# Altium PCB 400484.PcbDoc (part 1 of 5) (continued)
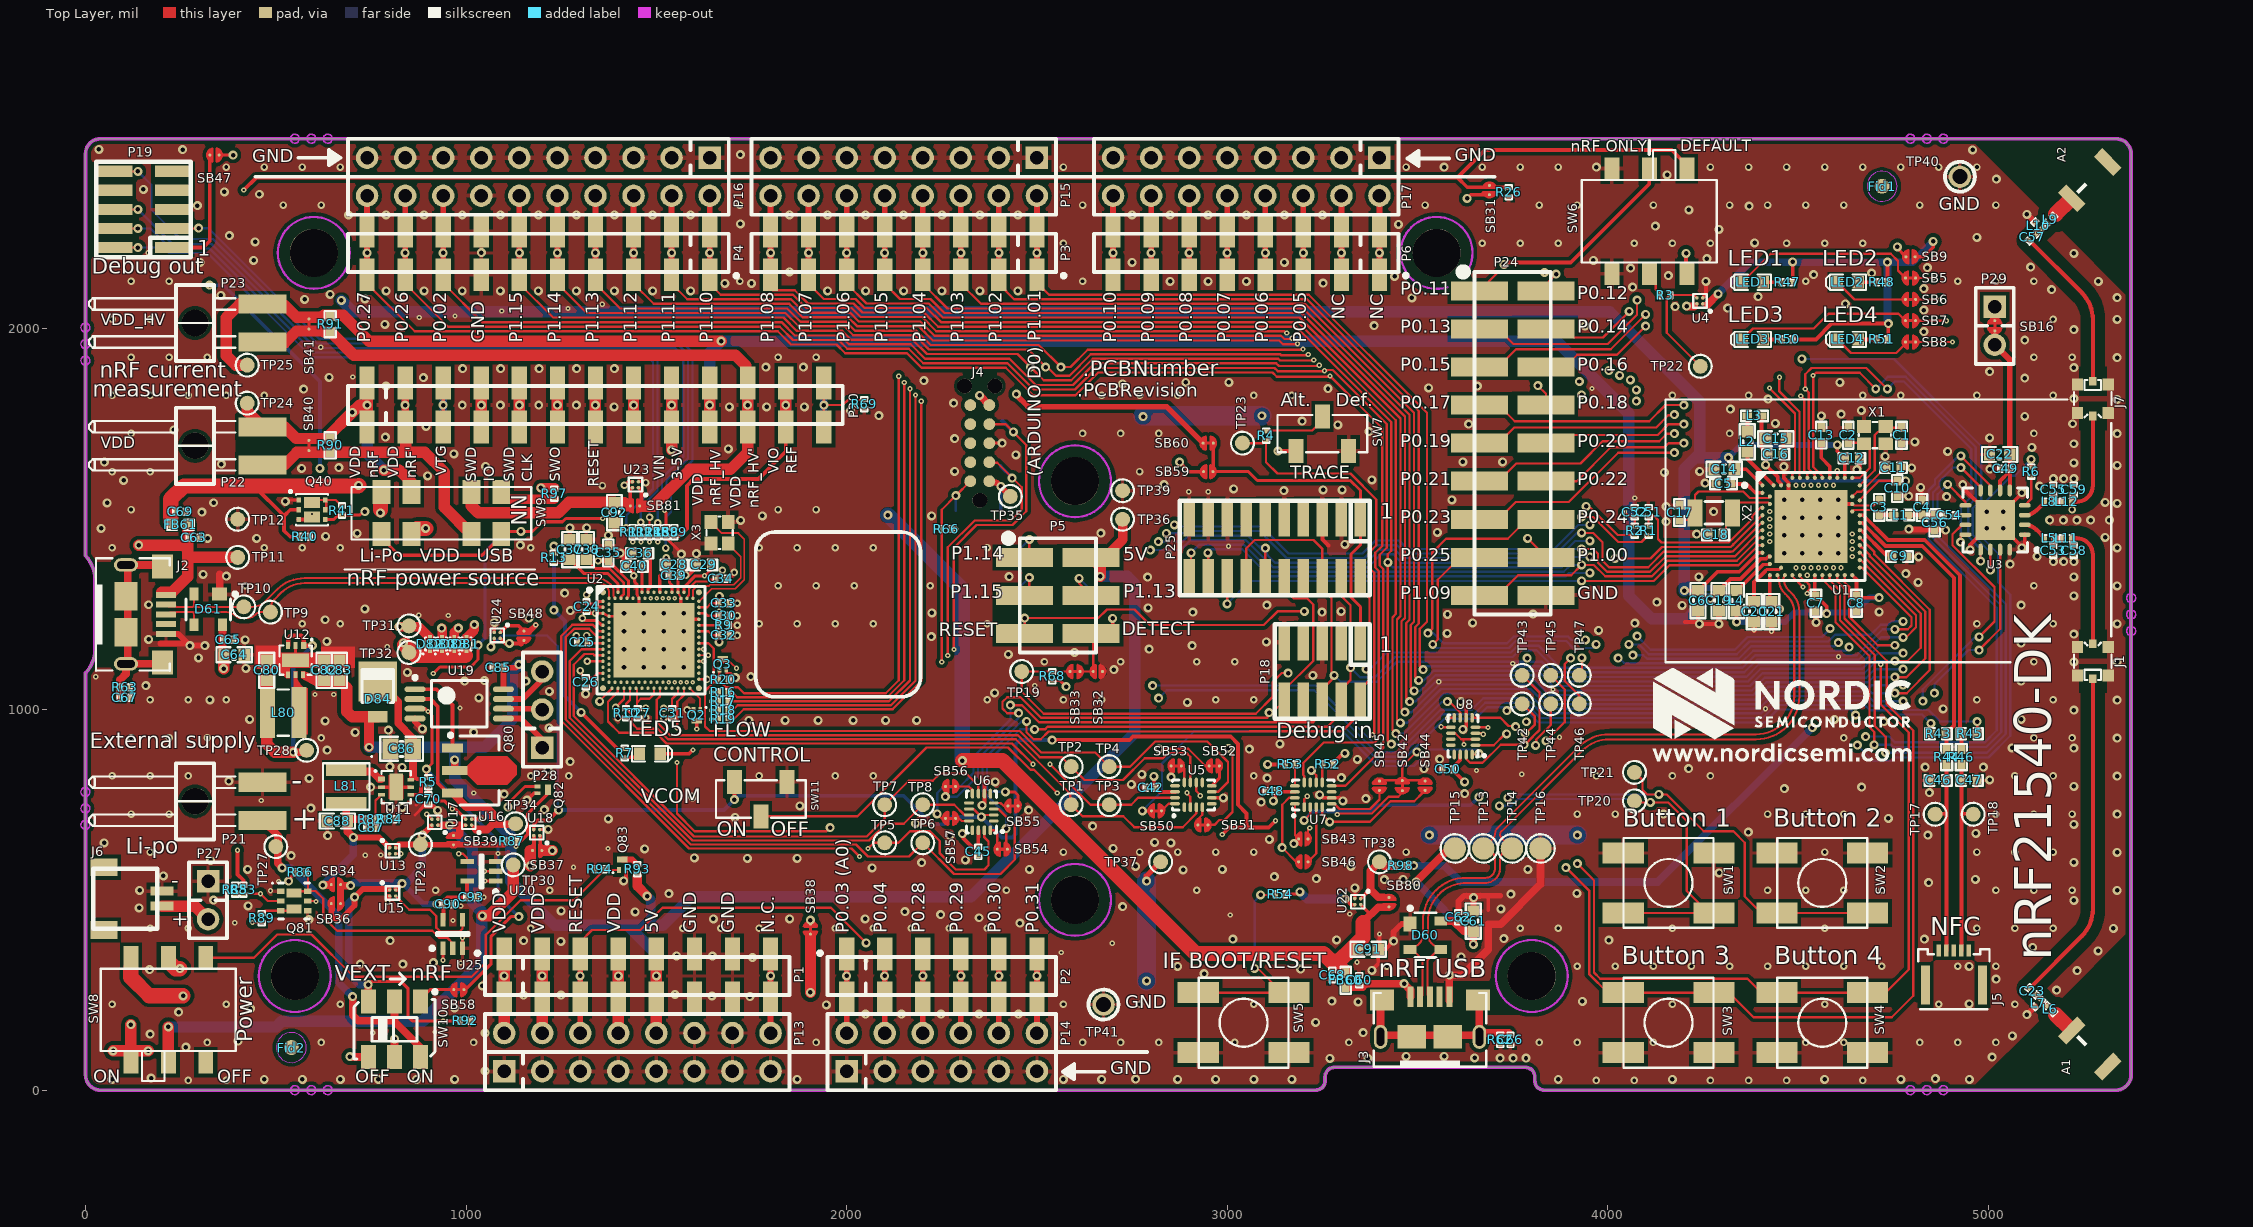
[diagram p0: Top Layer view]
## Components (designator, comment, footprint, x,y, rotation, side; value= is the part's Value field where it differs from the comment) (continued)
P23 "Pin List 1x2, Angled" LIST_ANG_1x2-SMD-2.54MM 464.99,2015.75 r270 top
P24 "Socket 2x9" SOCKET_2x9_SMD-2.54mm 3750,1700 r270 top locked
P25 "Pin Header 2x10, 1.27mm" HDR_2x10-SMD-1.27mm-NC 3125,1425 r180 top locked
P26 "Socket 1x13" LIST_1x13_SMD-NC 740,1800 r0 bottom locked
P27 "Pin List 1x2" LIST_1x2-NC 322,499 r270 top locked
P28 "Pin List 1x3" LIST_1x3-NC 1200,1000 r90 top locked
P29 "Pin List 1x2" LIST_1x2-NC 5016.73,2008.35 r270 top
Q2 "RV2C010UNT2L" DFN65P100X40-3L#1 1606.3,985.24 r270 top
Q3 "RV2C010UNT2L" DFN65P100X40-3L#1 1674.58,1118.52 r90 top
Q40 "PMCPB5530" PMCPB5530X 595,1525 r0 top
Q80 "FCX690BTA" SOT89-150P409X160-3N 1035,840 r0 top
Q81 "DMN1029UFDB" DFN65P200X60_HS-6N 548,497 r0 top
Q82 "RV2C010UNT2L" DFN65P100X40-3L#2 1201,789 r0 top
Q83 "RV2C010UNT2L" DFN65P100X40-3L#2 1411,592 r90 top
R1 "0R" RESC0603X03L_C 4107,1470 r90 top
R2 "0R" RESC0603X03L_C 4071,1470 r90 top
R3 "10k" RESC0603X03L_C 4151,2089.16 r180 top
R4 "10k" RESC0603X03L_C 3102,1720 r90 top
R5 "1M0" RESC0603X03L_C 901.18,809.05 r270 top
R6 "33k" RESC0603X03L_C 5112.2,1625.39 r270 top
R7 "470R" RESC0603X03L_C 1417.32,885.83 r90 top
R9 "49.9R" RESC0603X03L_C 1676.72,1221.16 r0 top
R10 "1M0" RESC0603X03L_C 1420.28,990.23 r270 top
R11 "150R" RESC0603X03L_C 1437.82,1466.31 r90 top
R12 "150R" RESC0603X03L_C 1459.82,1466.31 r90 top
R13 "2R2" RESC0603X03L_C 1230.82,1398.66 r270 top
R14 "150R" RESC0603X03L_C 1481.82,1466.31 r90 top
R15 "150R" RESC0603X03L_C 1503.82,1466.31 r90 top
R16 "150R" RESC0603X03L_C 1675.59,1045.32 r0 top
R17 "150R" RESC0603X03L_C 1675.59,1021.65 r0 top
R18 "150R" RESC0603X03L_C 1675.59,997.99 r0 top
R19 "150R" RESC0603X03L_C 1675.59,974.32 r0 top
R20 "1M0" RESC0603X03L_C 1675.59,1077.77 r0 top
R26 "47k" RESC0603X03L_C 3740,2359 r270 top
R40 "150k" RESC0603X03L_C 576,1454 r0 top
R41 "1M0" RESC0603X03L_C 674,1523 r90 top
R43 "N.C." RESC1005X04L_NC 4868.84,937 r0 top
R44 "0R" RESC1005X04L 4890,875 r90 top
R45 "N.C." RESC1005X04L_NC 4950.84,937 r180 top
R46 "0R" RESC1005X04L 4929,875 r90 top
R47 "220R" RESC0603X03L_C 4470.84,2122.73 r0 top
R48 "220R" RESC0603X03L_C 4719.84,2122.73 r0 top
R50 "220R" RESC0603X03L_C 4470.84,1972.73 r0 top
R51 "220R" RESC0603X03L_C 4719.84,1972.73 r0 top
R52 "4k7" RESC0603X03L_C 3264,856 r180 top
R53 "4k7" RESC0603X03L_C 3166,856 r0 top
R54 "N.C." RESC0603X03L_C_NC 3139,515 r0 top
R62 "1M0" RESC0603X03L_C 3717.25,132.11 r90 top
R63 "1M0" RESC0603X03L_C 102.84,1059 r180 top
R66 "100k" RESC0603X03L_C 2261.22,1474.41 r0 top
R68 "1M0" RESC0603X03L_C 2540,1087 r270 top
R69 "866R" RESC0603X03L_C 2046,1802 r90 top
R82 "330k" RESC0603X03L_C 750,712 r180 top
R83 "820k" RESC0603X03L_C 414.87,527 r270 top
R84 "120k" RESC0603X03L_C 799,712 r180 top
R85 "470k" RESC0603X03L_C 393.87,527 r90 top
R86 "1M0" RESC0603X03L_C 565,573 r0 top
R87 "1M0" RESC0603X03L_C 1120,654 r0 top
R88 "10M" RESC0603X03L_C 1525.59,1466.31 r270 top
R89 "47k" RESC0603X03L_C 463,452 r90 top
R90 "N.C." RESC1005X04L_NC 642.99,1693.91 r90 top
R91 "N.C." RESC1005X04L_NC 642.99,2013 r90 top
R92 "10M" RESC0603X03L_C 998,182 r0 top
R93 "1k" RESC0603X03L_C 1450,581 r90 top
R94 "10M" RESC0603X03L_C 1351,581 r180 top
R97 "4R7" RESC0603X03L_C 1232.28,1566.93 r270 top
R98 "4R7" RESC0603X03L_C 3456,589 r0 top
R99 "10k" RESC0603X03L_C 1547.24,1466.31 r270 top
SB5 "Solderbridge" Solderbridge_Shorted#1 4795.33,2133.73 r180 top net-tie
SB6 "Solderbridge" Solderbridge_Shorted#1 4795.33,2077.73 r180 top net-tie
SB7 "Solderbridge" Solderbridge_Shorted#1 4795.33,2021.73 r180 top net-tie
SB8 "Solderbridge" Solderbridge_Shorted#1 4795.33,1965.73 r180 top net-tie
SB9 "Solderbridge" Solderbridge#1 4795.34,2189.73 r0 top
SB16 "Solderbridge" Solderbridge_Shorted#1 5016.73,2008.35 r270 top net-tie
SB31 "Solderbridge" Solderbridge#2 3689,2365 r90 top
SB32 "Solderbridge" Solderbridge#3 2660,1100 r180 top
SB33 "Solderbridge" Solderbridge_Shorted#1 2600,1100 r180 top net-tie
SB34 "Solderbridge" Solderbridge#2 658.1,540 r180 top
SB36 "Solderbridge" Solderbridge#4 658.1,490 r180 top
SB37 "Solderbridge" Solderbridge#1 1186.78,629.62 r180 top
SB38 "Solderbridge" Solderbridge_Shorted#1 1905,423 r90 top net-tie
SB39 "Solderbridge" Solderbridge#4 967,657 r270 top
SB40 "Solderbridge" Solderbridge_Shorted#1 586.99,1693.91 r270 top net-tie
SB41 "Solderbridge" Solderbridge_Shorted#1 586.99,2013 r270 top net-tie
SB42 "Solderbridge" Solderbridge_Shorted#1 3460,800 r90 top net-tie
SB43 "Solderbridge" Solderbridge#3 3200,660 r0 top
SB44 "Solderbridge" Solderbridge#2 3520,800 r90 top
SB45 "Solderbridge" Solderbridge#1 3400,800 r90 top
SB46 "Solderbridge" Solderbridge#1 3200,600 r180 top
SB47 "Solderbridge" Solderbridge#3 339,2457 r180 top
SB48 "Solderbridge" Solderbridge#5 1152,1193.87 r270 top
SB50 "Solderbridge" Solderbridge_Shorted#2 2814,734 r0 top net-tie
SB51 "Solderbridge" Solderbridge_Shorted#2 2936,697 r180 top net-tie
SB52 "Solderbridge" Solderbridge_Shorted#3 2966,852 r0 top net-tie
SB53 "Solderbridge" Solderbridge_Shorted#2 2866,852 r0 top net-tie
SB54 "Solderbridge" Solderbridge_Shorted#2 2409,633 r180 top net-tie
SB55 "Solderbridge" Solderbridge_Shorted#2 2437,747 r180 top net-tie
SB56 "Solderbridge" Solderbridge_Shorted#2 2273,798 r0 top net-tie
SB57 "Solderbridge" Solderbridge_Shorted#2 2273,714 r0 top net-tie
SB58 "Solderbridge" Solderbridge_Shorted#1 981,264 r180 top net-tie
SB59 "Solderbridge" Solderbridge#5 2950,1625 r180 top
SB60 "Solderbridge" Solderbridge_Shorted#1 2950,1700 r180 top net-tie
SB80 "Solderbridge" Solderbridge#5 3425,494 r270 top
SB81 "Solderbridge" Solderbridge#6 1443.83,1535.16 r180 top
SW1 "PB SW" L-KLS7-TS6616B-2.5-160-T 4159.57,544.48 r0 top locked
SW2 "PB SW" L-KLS7-TS6616B-2.5-160-T 4563.57,544.48 r0 top locked
SW3 "PB SW" L-KLS7-TS6616B-2.5-160-T 4159.57,177.23 r180 top locked
SW4 "PB SW" L-KLS7-TS6616B-2.5-160-T 4563.57,177.23 r180 top locked
SW5 "PB SW" L-KLS7-TS6616B-2.5-160-T 3043,177.23 r180 top
SW6 "MK-22D14-G2" MK-22D14-G2 4109,2283 r180 top
SW7 "Switch" CJS-120xA 3250,1725 r0 top
SW8 "MK-22D14-G2" MK-22D14-G2 217.62,211 r0 top
SW9 "JS203011JCQN" Switch-Slide-J-Lead-DP3T-13x3.5mm 935,1516 r0 top locked
SW10 "CAS-220TA" CAS-220TA 812,160 r180 top
SW11 "Switch" CJS-120xA 1774.61,764.76 r180 top
TP1 "Ø1.0mm,SMD" TP_SMD_D1.0mm 2590,750 r90 top
TP2 "Ø1.0mm,SMD" TP_SMD_D1.0mm 2590,850 r90 top
TP3 "Ø1.0mm,SMD" TP_SMD_D1.0mm 2690,750 r90 top
TP4 "Ø1.0mm,SMD" TP_SMD_D1.0mm 2690,850 r90 top
TP5 "Ø1.0mm,SMD" TP_SMD_D1.0mm 2100,650 r90 top
TP6 "Ø1.0mm,SMD" TP_SMD_D1.0mm 2200,650 r90 top
TP7 "Ø1.0mm,SMD" TP_SMD_D1.0mm 2100,750 r90 top
TP8 "Ø1.0mm,SMD" TP_SMD_D1.0mm 2200,750 r90 top
TP9 "Ø1.0mm,SMD" TP_SMD_D1.0mm 486,1255.94 r90 top
TP10 "Ø1.0mm,SMD" TP_SMD_D1.0mm 416,1270.04 r90 top
TP11 "Ø1.0mm,SMD" TP_SMD_D1.0mm 400,1400 r90 top locked
TP12 "Ø1.0mm,SMD" TP_SMD_D1.0mm 400,1500 r90 top locked
TP13 "Ø1.5mm,SMD" TP_SMD_D1.5mm 3673,635 r0 top
TP14 "Ø1.5mm,SMD" TP_SMD_D1.5mm 3748,635 r0 top
TP15 "Ø1.5mm,SMD" TP_SMD_D1.5mm 3598,635 r0 top
TP16 "Ø1.5mm,SMD" TP_SMD_D1.5mm 3823,635 r0 top
TP17 "Ø1.0mm,SMD" TP_SMD_D1.0mm 4860,725 r90 top
TP18 "Ø1.0mm,SMD" TP_SMD_D1.0mm 4960,725 r90 top
TP19 "Ø1.0mm,SMD" TP_SMD_D1.0mm 2460,1100 r90 top
TP20 "Ø1.0mm,SMD" TP_SMD_D1.0mm 4070,760 r0 top
TP21 "Ø1.0mm,SMD" TP_SMD_D1.0mm 4070,835 r0 top
TP22 "Ø1.0mm,SMD" TP_SMD_D1.0mm 4242.99,1902.01 r0 top
TP23 "Ø1.0mm,SMD" TP_SMD_D1.0mm 3040,1700 r0 top
TP24 "Ø1.0mm,SMD" TP_SMD_D1.0mm 425,1805 r0 top
TP25 "Ø1.0mm,SMD" TP_SMD_D1.0mm 425,1905 r0 top
TP27 "Ø1.0mm,SMD" TP_SMD_D1.0mm 500,640 r0 top
TP28 "Ø1.0mm,SMD" TP_SMD_D1.0mm 581,893 r0 top
TP29 "Ø1.0mm,SMD" TP_SMD_D1.0mm 880,645 r0 top
TP30 "Ø1.0mm,SMD" TP_SMD_D1.0mm 1124,592 r270 top
TP31 "Ø1.0mm,SMD" TP_SMD_D1.0mm 850,1220 r90 top
TP32 "Ø1.0mm,SMD" TP_SMD_D1.0mm 850,1150 r0 top
TP34 "Ø1.0mm,SMD" TP_SMD_D1.0mm 1130,700 r0 top
TP35 "Ø1.0mm,SMD" TP_SMD_D1.0mm 2430,1560 r0 top
TP36 "Ø1.0mm,SMD" TP_SMD_D1.0mm 2725,1500 r0 top
TP37 "Ø1.0mm,SMD" TP_SMD_D1.0mm 2825,600 r0 top
TP38 "Ø1.0mm,SMD" TP_SMD_D1.0mm 3400,600 r0 top
TP39 "Ø1.0mm,SMD" TP_SMD_D1.0mm 2725,1575 r0 top
TP40 "TP" TESTPAD-TH 4925,2400 r0 top
TP41 "TP" TESTPAD-TH 2675,225 r0 top
TP42 "Ø1.0mm,SMD" TP_SMD_D1.0mm 3775,1015 r0 top
TP43 "Ø1.0mm,SMD" TP_SMD_D1.0mm 3775,1090 r0 top
TP44 "Ø1.0mm,SMD" TP_SMD_D1.0mm 3850,1015 r0 top
TP45 "Ø1.0mm,SMD" TP_SMD_D1.0mm 3850,1090 r0 top
TP46 "Ø1.0mm,SMD" TP_SMD_D1.0mm 3925,1015 r0 top
TP47 "Ø1.0mm,SMD" TP_SMD_D1.0mm 3925,1090 r0 top
TP49 "Ø1.5mm,SMD" TP_SMD_D1.5mm 2405,1640 r180 bottom
TP50 "Ø1.5mm,SMD" TP_SMD_D1.5mm 2286.89,1521.89 r180 bottom
TP51 "Ø1.5mm,SMD" TP_SMD_D1.5mm 2405,1758.11 r180 bottom
TP52 "Ø1.5mm,SMD" TP_SMD_D1.5mm 2405,1521.89 r180 bottom
U1 "nRF52840-QIAA" AQFN50P700X700X85_HS-74N 4534,1481 r0 top locked
U2 "nRF5340-QKAA" AQFN40P700X700X85_HS-99N 1485.78,1182.16 r0 top locked
U3 "nRF21540-QDAAG00" QFN65P400X400X65_HS-17N 5017.72,1498.03 r180 top
U4 "TCK106AG" BGA4C40P2X2_76X76X62#1 4241.87,2073.87 r180 top
U5 "FSA2466UMX" XQFN40P180X260X50-16N 2911,776 r90 top
U6 "FSA2466UMX" XQFN40P180X260X50-16N 2354,731 r180 top
U7 "FSA2466UMX" XQFN40P180X260X50-16N 3226,776 r90 top locked
U8 "FSA2466UMX" XQFN40P180X260X50-16N 3620,930 r180 top locked
U11 "XC9236" USP-6C#1 816,796 r0 top
U12 "XC9148" USP-6C#2 552.13,1129.77 r270 top
U13 "TCK106AG" BGA4C40P2X2_76X76X62#1 807,629 r0 top
U15 "TCK106AG" BGA4C40P2X2_76X76X62#1 807,518 r0 top
U16 "TCK106AG" BGA4C40P2X2_76X76X62#1 1007,704 r180 top
U17 "TCK106AG" BGA4C40P2X2_76X76X62#1 918,704 r180 top
U18 "TCK106AG" BGA4C40P2X2_76X76X62#1 1185.78,676.62 r180 top
U19 "TS27L2IPT" TSOP65P640X120-8N 982,1015 r0 top
U20 "74LVC1G08" SOT65P210X100-5N 1040,575 r180 top
U22 "TCK106AG" BGA4C40P2X2_76X76X62#2 3343.01,495.22 r270 top
U23 "TCK106AG" BGA4C40P2X2_76X76X62#2 1445.07,1590.99 r180 top
U24 "TCK106AG" BGA4C40P2X2_76X76X62#1 1082,1195 r270 top
U25 "74LVC1G08" SOT65P210X100-5N 965,410 r90 top
X1 "32MHz" BT-XTAL_2016 4701.76,1720.98 r180 top
X2 "32.768kHz" XTAL_3215 4278.39,1516.73 r0 top
X3 "32MHz" BT-XTAL_2016 1666.34,1464.57 r270 top

## Footprints (in the part's own frame and the unit in brackets; to place one, negate y for a bottom-side part, rotate by r counter-clockwise, add the part's x,y. Pads: shape width x height; smd on the part's side, far side on the other; paste and mask are expansions set on the pad)
2450AT18B100 [mm] "2450MHz Antenna"
  rect 0.8x1.85 smd: 1(-1.7,0) 2(1.7,0)
  Top Layer pour cut-out: -3.71,-4.94 -3.71,4.93 6.09,4.93 6.09,-4.94
  Bottom Layer pour cut-out: -3.71,-4.94 -3.71,4.93 6.09,4.93 6.09,-4.94
  silkscreen extent -1.18,-0.14 -0.34,0.13, body extent -1.7,-0.9 1.7,0.9, height 1.4
AQFN40P700X700X85_HS-99N [mm] "AQFN, 98-Leads, Body 7.00x7.00mm, Pitch 0.40mm, Thermal Pad 5.4x5.0mm, IPC Medium Density"
  rect 5.4x5 smd paste-5 mask+0.05: 104(0.2,0)
  round 0.4 smd paste+0.012 mask+0.05: A1(-3.2,3.2) A31(3.2,3.2) AL1(-3.2,-3.2) AL31(3.2,-3.2)
  round 0.225 smd paste+0.012 mask+0.05: A5(-2.2,3.2) A13(-0.6,3.2) A15(-0.2,3.2) A17(0.2,3.2) A19(0.6,3.2) A21(1,3.2) A23(1.4,3.2) A25(1.8,3.2) A27(2.2,3.2) AA1(-3.2,-1) AA31(3.2,-1) AB2(-2.8,-1.2) AC1(-3.2,-1.4) AC31(3.2,-1.4) AD2(-2.8,-1.6) AE1(-3.2,-1.8) AE31(3.2,-1.8) AF2(-2.8,-2) AG1(-3.2,-2.2) AG31(3.2,-2.2) AH2(-2.8,-2.4) AJ1(-3.2,-2.6) AJ31(3.2,-2.6) AK2(-2.8,-2.8) AK4(-2.4,-2.8) AK6(-2,-2.8) AK8(-1.6,-2.8) AK10(-1.2,-2.8) AK12(-0.8,-2.8) AK14(-0.4,-2.8) AK16(0,-2.8) AK18(0.4,-2.8) AK20(0.8,-2.8) AK22(1.2,-2.8) AK24(1.6,-2.8) AK26(2,-2.8) AK28(2.4,-2.8) AK30(2.8,-2.8) AL3(-2.6,-3.2) AL5(-2.2,-3.2) AL7(-1.8,-3.2) AL9(-1.4,-3.2) AL11(-1,-3.2) AL13(-0.6,-3.2) AL15(-0.2,-3.2) AL17(0.2,-3.2) AL19(0.6,-3.2) AL21(1,-3.2) AL23(1.4,-3.2) AL25(1.8,-3.2) AL27(2.2,-3.2) AL29(2.6,-3.2) B2(-2.8,2.8) B4(-2.4,2.8) B6(-2,2.8) B8(-1.6,2.8) B10(-1.2,2.8) B12(-0.8,2.8) B14(-0.4,2.8) B16(0,2.8) B18(0.4,2.8) B20(0.8,2.8) B22(1.2,2.8) B24(1.6,2.8) B26(2,2.8) B28(2.4,2.8) B30(2.8,2.8) C1(-3.2,2.6) C31(3.2,2.6) D2(-2.8,2.4) E1(-3.2,2.2) E31(3.2,2.2) F2(-2.8,2) G1(-3.2,1.8) G31(3.2,1.8) H2(-2.8,1.6) J1(-3.2,1.4) J31(3.2,1.4) K2(-2.8,1.2) L1(-3.2,1) L31(3.2,1) M2(-2.8,0.8) N1(-3.2,0.6) N31(3.2,0.6) P2(-2.8,0.4) R1(-3.2,0.2) R31(3.2,0.2) T2(-2.8,0) U1(-3.2,-0.2) U31(3.2,-0.2) V2(-2.8,-0.4) W1(-3.2,-0.6) W31(3.2,-0.6) Y2(-2.8,-0.8)
  rrect15% 1.1x1 on Top Paste: ""(-1.75,-1.8) ""(-1.75,-0.6) ""(-1.75,0.6) ""(-1.75,1.8) ""(-0.45,-1.8) ""(-0.45,-0.6) ""(-0.45,0.6) ""(-0.45,1.8) ""(0.85,-1.8) ""(0.85,-0.6) ""(0.85,0.6) ""(0.85,1.8) ""(2.15,-1.8) ""(2.15,-0.6) ""(2.15,0.6) ""(2.15,1.8)
  silkscreen extent -4.22,-3.6 3.6,3.6, body extent -3.5,-3.5 3.5,3.5, height 0.85
AQFN50P700X700X85_HS-74N [mm] "AQFN, 73-Leads, Body 7.00x7.00mm, Pitch 0.50mm, Thermal Pad 4.95x4.95mm, IPC Medium Density"
  rect 4.85x4.85 smd paste-5 mask+0.05: 74(0,0)
  round 0.275 smd paste+0.012 mask+0.05: A8(-1.25,3.25) A10(-0.75,3.25) A12(-0.25,3.25) A14(0.25,3.25) A16(0.75,3.25) A18(1.25,3.25) A20(1.75,3.25) A22(2.25,3.25) A23(2.75,3.25) AA24(3.25,-2.25) AB2(-2.75,-2.5) AC5(-2,-2.75) AC9(-1,-2.75) AC11(-0.5,-2.75) AC13(0,-2.75) AC15(0.5,-2.75) AC17(1,-2.75) AC19(1.5,-2.75) AC21(2,-2.75) AC24(3.25,-2.75) AD2(-2.75,-3.25) AD4(-2.25,-3.25) AD6(-1.75,-3.25) AD8(-1.25,-3.25) AD10(-0.75,-3.25) AD12(-0.25,-3.25) AD14(0.25,-3.25) AD16(0.75,-3.25) AD18(1.25,-3.25) AD20(1.75,-3.25) AD22(2.25,-3.25) AD23(2.75,-3.25) B1(-3.25,2.75) B3(-2.5,2.75) B5(-2,2.75) B7(-1.5,2.75) B9(-1,2.75) B11(-0.5,2.75) B13(0,2.75) B15(0.5,2.75) B17(1,2.75) B19(1.5,2.75) B24(3.25,2.75) C1(-3.25,2.25) D2(-2.75,2) D23(2.75,2) E24(3.25,1.75) F2(-2.75,1.5) F23(2.75,1.5) G1(-3.25,1.25) H2(-2.75,1) H23(2.75,1) J1(-3.25,0.75) J24(3.25,0.75) K2(-2.75,0.5) L1(-3.25,0.25) L24(3.25,0.25) M2(-2.75,0) N1(-3.25,-0.25) N24(3.25,-0.25) P2(-2.75,-0.5) P23(2.75,-0.5) R1(-3.25,-0.75) R24(3.25,-0.75) T2(-2.75,-1) T23(2.75,-1) U1(-3.25,-1.25) U24(3.25,-1.25) V23(2.75,-1.5) W1(-3.25,-1.75) W24(3.25,-1.75) Y2(-2.75,-2) Y23(2.75,-2)
  rrect15% 0.94x0.94 on Top Paste: ""(-1.71,-1.71) ""(-1.71,-0.57) ""(-1.71,0.57) ""(-1.71,1.71) ""(-0.57,-1.71) ""(-0.57,-0.57) ""(-0.57,0.57) ""(-0.57,1.71) ""(0.57,-1.71) ""(0.57,-0.57) ""(0.57,0.57) ""(0.57,1.71) ""(1.71,-1.71) ""(1.71,-0.57) ""(1.71,0.57) ""(1.71,1.71)
  silkscreen extent -4.56,-3.6 3.6,3.6, body extent -3.5,-3.5 3.5,3.5, height 0.87
BGA4C40P2X2_76X76X62#1 [mm] "BGA, 4-Leads, Body 0.8x0.8mm,  Pitch 0.40mm"
  round 0.23 smd mask+0.05: A1(-0.2,0.2) A2(0.2,0.2) B1(-0.2,-0.2) B2(0.2,-0.2)
  silkscreen extent -0.74,-0.45 0.45,0.74, body extent -0.39,-0.39 0.4,0.4, height 0.55
BGA4C40P2X2_76X76X62#2 [mm] "BGA, 4-Leads, Body 0.8x0.8mm,  Pitch 0.40mm"
  round 0.235 smd mask+0.04: A1(-0.2,0.2) A2(0.2,0.2) B1(-0.2,-0.2) B2(0.2,-0.2)
  silkscreen extent -0.74,-0.45 0.45,0.74, body extent -0.39,-0.39 0.4,0.4, height 0.55
BT-XTAL_2016 [mm] "Crystal 2.0 x 1.6 mm"
  rect 0.95x0.85 smd: 1(-0.725,-0.575) 2(0.725,-0.575) 3(0.725,0.575) 4(-0.725,0.575)
  silkscreen extent -1.08,-0.88 1.08,0.88, body extent -1.05,-0.85 1.05,0.85, height 0.56
CAPC0603X03L_C#1 [mm] "Chip Capacitor, 2-Leads, Body 0.6x0.3mm, IPC High Density"
  rrect50% 0.27x0.3 smd mask+0.05: 1(-0.285,0) 2(0.285,0)
  silkscreen extent -0.49,-0.22 0.49,0.22, body extent -0.3,-0.15 0.31,0.15, height 0.3
CAPC0603X03L_C#2 [mm] "Chip Capacitor, 2-Leads, Body 0.6x0.3mm, IPC High Density"
  rect 0.27x0.3 smd: 1(-0.285,0) 2(0.285,0)
  silkscreen extent -0.49,-0.22 0.49,0.22, body extent -0.3,-0.15 0.31,0.15, height 0.3
CAPC0603X03L_C#3 [mm] "Chip Capacitor, 2-Leads, Body 0.6x0.3mm, IPC High Density"
  rrect50% 0.27x0.3 smd: 1(-0.285,0) 2(0.285,0)
  silkscreen extent -0.49,-0.22 0.49,0.22, body extent -0.3,-0.15 0.31,0.15, height 0.3
CAPC0603X03L_C#4 [mm] "Chip Capacitor, 2-Leads, Body 0.6x0.3mm, IPC High Density"
  rect 0.27x0.3 smd mask+0.05: 1(-0.285,0) 2(0.285,0)
  silkscreen extent -0.49,-0.22 0.49,0.22, body extent -0.3,-0.15 0.31,0.15, height 0.3
CAPC0603X03L_C_NC [mm] "Chip Capacitor, 2-Leads, Body 0.6x0.3mm, IPC High Density"
  rect 0.27x0.3 smd mask+0.05: 1(-0.285,0) 2(0.285,0)
  silkscreen extent -0.49,-0.22 0.49,0.22
CAPC1005X04L#1 [mm] "Chip Capacitor, 2-Leads, Body 1.0x0.5mm, IPC High Density"
  rect 0.6x0.5 smd: 1(-0.5,0) 2(0.5,0)
  silkscreen extent -0.9,-0.35 0.9,0.35, body extent -0.51,-0.25 0.51,0.25, height 0.5
CAPC1005X04L#2 [mm] "Chip Capacitor, 2-Leads, Body 1.0x0.5mm, IPC High Density"
  rrect50% 0.6x0.5 smd: 1(-0.5,0) 2(0.5,0)
  silkscreen extent -0.9,-0.35 0.9,0.35, body extent -0.51,-0.25 0.51,0.25, height 0.5
CAPC1005X04L_NC [mm] "Chip Capacitor, 2-Leads, Body 1.0x0.5mm, IPC High Density"
  rect 0.6x0.5 smd: 1(-0.5,0) 2(0.5,0)
  silkscreen extent -0.9,-0.35 0.9,0.35
CAPC1608X06L [mm] "Chip Capacitor, 2-Leads, Body 1.6x0.8mm, IPC High Density"
  rect 0.75x0.8 smd: 1(-0.675,0) 2(0.675,0)
  silkscreen extent -1.17,-0.5 1.17,0.5, body extent -0.8,-0.43 0.8,0.43, height 0.8
CAPC2012X11L [mm] "Chip Capacitor, 2-Leads, Body 2.0x1.3mm, IPC High Density"
  rect 1.1x1.4 smd: 1(-0.75,0) 2(0.75,0)
  silkscreen extent -1.43,-0.8 1.42,0.8, body extent -1,-0.62 1,0.63, height 0.77
CAS-220TA [mm] "SLIDE SWITCH DPDT J HOOK"
  rect 1x1.6 smd: 1(-1.75,-1.85) 2(0,-1.85) 3(1.75,-1.85) 4(-1.75,1.85) 5(0,1.85) 6(1.75,1.85)
  silkscreen extent -2.8,-2.6 2.7,2, body extent -2.7,-2.15 2.7,2.16, height 2.51
CJS-120xA [mm] "Slide Switches - SPDT, SMD, ON-ON"
  rect 1x1.6 smd: 1(1.75,-1.15) 2(0,1.15) 3(-1.75,-1.15)
  silkscreen extent -3,-1.25 3,1.25, body extent -3,-1.4 3,1.45, height 2.5
COAXIAL-SWF [mm]
  rect 0.5x0.58 smd: 1(0,1.16) 3(0,-1.16)
  rect 0.75x0.8 smd: 2(-1.025,-0.95) 2(-1.025,0.95) 2(1.025,-0.95) 2(1.025,0.95)
  Top Layer pour cut-out: 0.65,-0.55 -0.65,-0.55 -0.65,-1.35 0.65,-1.35
  Top Layer pour cut-out: -0.65,0.55 0.65,0.55 0.65,1.35 -0.65,1.35
  silkscreen extent -1.25,-1.25 1.25,1.25, body extent -1.26,-1.3 1.26,1.3, height 1.55
DFN65P100X40-3L#1 [mm] "DFN, 3-Leads, Body 0.60x1.00mm, Pitch 0.65mm, IPC High Density"
  rect 0.4x0.25 smd mask+0.05: 1(-0.35,0.225) 2(-0.35,-0.225)
  rect 0.4x0.7 smd mask+0.065: 3(0.35,0)
  silkscreen extent -0.57,0.58 -0.48,0.67, body extent -0.53,-0.32 0.53,0.32, height 0.4
DFN65P100X40-3L#2 [mm] "DFN, 3-Leads, Body 0.60x1.00mm, Pitch 0.65mm, IPC High Density"
  rect 0.4x0.25 smd mask+0.06: 1(-0.35,0.225) 2(-0.35,-0.225)
  rect 0.4x0.7 smd: 3(0.35,0)
  silkscreen extent -0.57,0.58 -0.48,0.67, body extent -0.53,-0.33 0.53,0.33, height 0.4
DFN65P200X60_HS-6N [mm] "DFN, 6-Leads, Body 2,00x2,00mm, Pitch 0,65mm, IPC Medium Density"
  rect 0.5x0.35 smd: 1(-0.9,0.65) 2(-0.9,0) 3(-0.9,-0.65) 4(0.9,-0.65) 5(0.9,0) 6(0.9,0.65)
  rect 1x0.6 smd: 3(0,-0.525) 6(0,0.525)
  silkscreen extent -1.49,-1.19 1.04,1.24, body extent -1.05,-1.04 1.05,1.04, height 0.61
DO-216AA [mm]
  rect 0.762x1.27 smd: 1(1.65,0)
  rect 2.67x2.54 smd: 3(-0.7,0)
  silkscreen extent -1.6,-1.05 0.7,1.05, body extent -1.9,-1 1.95,1, height 1.01
Fiducial [mm] "Fiducial Mark"
  round 1 smd paste+0 mask+0.5: 0(0,0)
  round 1 smd far side paste+0 mask+0.5: 0(0,0)
  Top Layer keep-out circle w0.01: c0,0 r1
  Bottom Layer keep-out circle w0.01: c0,0 r1
FPC_05P-0.5mm-RA-SMD [mm] "FPC, 5-Leads, Pitch 0,5mm"
  rect 0.6x2.6 smd: 0(-0.9,-2.3) 0(2.9,-2.3)
  rect 0.3x0.8 smd mask+0.05: 1(0,0) 2(0.5,0) 3(1,0) 4(1.5,0) 5(2,0)
  silkscreen extent -1.38,-3.93 3.38,0.08, body extent -1.3,-3.85 3.3,0.2, height 1.2
HDR_2x3-SMD [mil] "Board-Board Conn, Header, 6-way, 2-row"
  rect 50x150 smd: 1(-100,-87.5) 2(-100,87.5) 3(0,-87.5) 4(0,87.5) 5(100,-87.5) 6(100,87.5)
  silkscreen extent -160,-140 150,100, body extent -150,-148 150,148, height 382
HDR_2x5-SMD-1.27mm-K [mm] "SMT MICRO HEADER, (1,27) .050\" Keying Shroud"
  rect 0.76x2.4 smd: 1(-2.54,-1.95) 2(-2.54,1.95) 3(-1.27,-1.95) 4(-1.27,1.95) 5(0,-1.95) 6(0,1.95) 7(1.27,-1.95) 8(1.27,1.95) 9(2.54,-1.95) 10(2.54,1.95)
  silkscreen extent -3.18,-3.15 3.18,3.15, body extent -3.14,-2.92 3.14,2.92, height 6.11
HDR_2x6-NC [mm] "Pin Header, 2.54mm through hole"
  rect 1.5x1.5 hole 0.9: 1(-6.35,-1.27)
  round 1.5 hole 0.9: 2(-6.35,1.27) 3(-3.81,-1.27) 4(-3.81,1.27) 5(-1.27,-1.27) 6(-1.27,1.27) 7(1.27,-1.27) 8(1.27,1.27) 9(3.81,-1.27) 10(3.81,1.27) 11(6.35,-1.27) 12(6.35,1.27)
  silkscreen extent -7.62,-2.54 7.62,2.54
HDR_2x8-NC [mm] "Pin Header, 2.54mm through hole"
  rect 1.5x1.5 hole 0.9: 1(-8.89,-1.27)
  round 1.5 hole 0.9: 2(-8.89,1.27) 3(-6.35,-1.27) 4(-6.35,1.27) 5(-3.81,-1.27) 6(-3.81,1.27) 7(-1.27,-1.27) 8(-1.27,1.27) 9(1.27,-1.27) 10(1.27,1.27) 11(3.81,-1.27) 12(3.81,1.27) 13(6.35,-1.27) 14(6.35,1.27) 15(8.89,-1.27) 16(8.89,1.27)
  silkscreen extent -10.16,-2.54 10.16,2.54
HDR_2x10-NC [mm] "Pin Header, 2.54mm through hole"
  rect 1.5x1.5 hole 0.9: 1(-11.43,-1.27)
  round 1.5 hole 0.9: 2(-11.43,1.27) 3(-8.89,-1.27) 4(-8.89,1.27) 5(-6.35,-1.27) 6(-6.35,1.27) 7(-3.81,-1.27) 8(-3.81,1.27) 9(-1.27,-1.27) 10(-1.27,1.27) 11(1.27,-1.27) 12(1.27,1.27) 13(3.81,-1.27) 14(3.81,1.27) 15(6.35,-1.27) 16(6.35,1.27) 17(8.89,-1.27) 18(8.89,1.27) 19(11.43,-1.27) 20(11.43,1.27)
  silkscreen extent -12.7,-2.54 12.7,2.54
HDR_2x10-SMD-1.27mm-NC [mm] "SMT MICRO HEADER, (1,27) .050\""
  rect 0.76x2.4 smd paste-5: 1(-5.715,-1.95) 2(-5.715,1.95) 3(-4.445,-1.95) 4(-4.445,1.95) 5(-3.175,-1.95) 6(-3.175,1.95) 7(-1.905,-1.95) 8(-1.905,1.95) 9(-0.635,-1.95) 10(-0.635,1.95) 11(0.635,-1.95) 12(0.635,1.95) 13(1.905,-1.95) 14(1.905,1.95) 15(3.175,-1.95) 16(3.175,1.95) 17(4.445,-1.95) 18(4.445,1.95) 19(5.715,-1.95) 20(5.715,1.95)
  silkscreen extent -6.35,-3.15 6.35,3.15
INDC0603X03L_C#1 [mm] "Chip Inductor, 2-Leads, Body 0.6x0.3mm, IPC High Density"
  rrect50% 0.27x0.3 smd: 1(-0.285,0) 2(0.285,0)
  silkscreen extent -0.49,-0.22 0.49,0.22, body extent -0.31,-0.16 0.31,0.16, height 0.26
INDC0603X03L_C#2 [mm] "Chip Inductor, 2-Leads, Body 0.6x0.3mm, IPC High Density"
  rrect50% 0.27x0.3 smd: 1(-0.285,0)
  rect 0.27x0.3 smd: 2(0.285,0)
  silkscreen extent -0.49,-0.22 0.49,0.22, body extent -0.31,-0.16 0.31,0.16, height 0.26
INDC1005X04L#1 [mm] "Chip Inductor, 2-Leads, Body 1.0x0.5mm, IPC High Density"
  rect 0.65x0.5 smd: 1(-0.475,0) 2(0.475,0)
  silkscreen extent -0.9,-0.35 0.9,0.35, body extent -0.5,-0.3 0.5,0.3, height 0.5
INDC1005X04L#2 [mm] "Chip Inductor, 2-Leads, Body 1.0x0.5mm, IPC High Density"
  rrect50% 0.65x0.5 smd: 1(-0.475,0) 2(0.475,0)
  silkscreen extent -0.9,-0.35 0.9,0.35, body extent -0.5,-0.3 0.5,0.3, height 0.5
INDC1608X06L [mm] "Chip Inductor, 2-Leads, Body 1.6x0.8mm, IPC High Density"
  rect 0.75x0.8 smd: 1(-0.675,0) 2(0.675,0)
  silkscreen extent -1.17,-0.5 1.17,0.5, body extent -0.8,-0.48 0.8,0.48, height 0.8
L-KLS7-TS6616B-2.5-160-T [mm] "6.2×6.4mm TACT Switch, without ground connector"
  rect 2.75x1.4 smd: 1(-3.025,2) 1(3.025,2) 2(-3.025,-2) 2(3.025,-2)
  silkscreen extent -3,-3 3,3, body extent -3.6,-3.1 3.6,3.1, height 2.5
LED_0603_G [mil] "SMD Super Bright LED, GREEN"
  rect 30x32 smd: 1(-27.5,0) 2(27.5,0)
  silkscreen extent -58,-20 48,20, body extent -32,-16 32,16, height 24
LIST_1x2-NC [mm] "Pin List, 2.54mm through hole"
  rect 1.5x1.5 hole 0.9: 1(-1.27,0)
  round 1.5 hole 0.9: 2(1.27,0)
  silkscreen extent -2.54,-1.27 2.54,1.27
LIST_1x3-NC [mm] "Pin List, 2.54mm through hole"
  rect 1.5x1.5 hole 0.9: 1(-2.54,0)
  round 1.5 hole 0.9: 2(0,0) 3(2.54,0)
  silkscreen extent -3.81,-1.27 3.81,1.27
LIST_1x6_SMD-NC [mm] "Pin List, 2.54mm, SMD"
  rect 1.02x2.19 smd paste+0: 1(0,-1.465) 1(0,1.465) 2(2.54,-1.465) 2(2.54,1.465) 3(5.08,-1.465) 3(5.08,1.465) 4(7.62,-1.465) 4(7.62,1.465) 5(10.16,-1.465) 5(10.16,1.465) 6(12.7,-1.465) 6(12.7,1.465)
  silkscreen extent -1.27,-1.27 13.97,1.27
LIST_1x8_SMD-NC [mm] "Pin List, 2.54mm, SMD"
  rect 1.02x2.19 smd paste+0: 1(0,-1.465) 1(0,1.465) 2(2.54,-1.465) 2(2.54,1.465) 3(5.08,-1.465) 3(5.08,1.465) 4(7.62,-1.465) 4(7.62,1.465) 5(10.16,-1.465) 5(10.16,1.465) 6(12.7,-1.465) 6(12.7,1.465) 7(15.24,-1.465) 7(15.24,1.465) 8(17.78,-1.465) 8(17.78,1.465)
  silkscreen extent -1.27,-1.27 19.05,1.27
LIST_1x10_SMD-NC [mm] "Pin List, 2.54mm, SMD"
  rect 1.02x2.19 smd paste+0: 1(0,-1.465) 1(0,1.465) 2(2.54,-1.465) 2(2.54,1.465) 3(5.08,-1.465) 3(5.08,1.465) 4(7.62,-1.465) 4(7.62,1.465) 5(10.16,-1.465) 5(10.16,1.465) 6(12.7,-1.465) 6(12.7,1.465) 7(15.24,-1.465) 7(15.24,1.465) 8(17.78,-1.465) 8(17.78,1.465) 9(20.32,-1.465) 9(20.32,1.465) 10(22.86,-1.465) 10(22.86,1.465)
  silkscreen extent -1.27,-1.27 24.13,1.27
LIST_1x13_SMD [mm] "Pin List, 2.54mm, SMD"
  rect 1.02x2.19 smd: 1(0,-1.465) 1(0,1.465) 2(2.54,-1.465) 2(2.54,1.465) 3(5.08,-1.465) 3(5.08,1.465) 4(7.62,-1.465) 4(7.62,1.465) 5(10.16,-1.465) 5(10.16,1.465) 6(12.7,-1.465) 6(12.7,1.465) 7(15.24,-1.465) 7(15.24,1.465) 8(17.78,-1.465) 8(17.78,1.465) 9(20.32,-1.465) 9(20.32,1.465) 10(22.86,-1.465) 10(22.86,1.465) 11(25.4,-1.465) 11(25.4,1.465) 12(27.94,-1.465) 12(27.94,1.465) 13(30.48,-1.465) 13(30.48,1.465)
  silkscreen extent -1.27,-1.27 31.75,1.27, body extent -1.27,-2.5 31.75,2.5, height 9.82
LIST_1x13_SMD-NC [mm] "Pin List, 2.54mm, SMD"
  rect 1.02x2.19 smd: 1(0,-1.465) 1(0,1.465) 2(2.54,-1.465) 2(2.54,1.465) 3(5.08,-1.465) 3(5.08,1.465) 4(7.62,-1.465) 4(7.62,1.465) 5(10.16,-1.465) 5(10.16,1.465) 6(12.7,-1.465) 6(12.7,1.465) 7(15.24,-1.465) 7(15.24,1.465) 8(17.78,-1.465) 8(17.78,1.465) 9(20.32,-1.465) 9(20.32,1.465) 10(22.86,-1.465) 10(22.86,1.465) 11(25.4,-1.465) 11(25.4,1.465) 12(27.94,-1.465) 12(27.94,1.465) 13(30.48,-1.465) 13(30.48,1.465)
  silkscreen extent -1.27,-1.27 31.75,1.27
LIST_ANG_1x2-SMD-2.54MM [mm] "Pin List, 2.54mm, Surface Mount, Angled"
  round 1.78 hole 1.78 unplated: 0(0,-4.496)
  rect 1.27x3.18 smd: 1(-1.27,0) 2(1.27,0)
  silkscreen extent -2.54,-11.58 2.54,-1.8, body extent -2.56,-11.61 2.52,1.35, height 3.03
MK-22D14-G2 [mm] "Slide Switches - DPDT, SMD, ON-ON"
  rect 1x1.5 smd: 1(2.5,-3.5) 2(0,-3.5) 3(-2.5,-3.5) 4(2.5,3.5) 5(0,3.5) 6(-2.5,3.5)
  silkscreen extent -4.5,-4.75 4.5,2.75, body extent -4.5,-3.72 4.5,3.78, height 3.47
PMCPB5530X [mm] "QFN, 6-Leads, Body 2.00x2.00mm, Pitch 0.65mm, IPC Medium Density"
  rect 0.3x0.35 smd mask+0.05: 1(-0.875,0.65) 2(-0.875,0) 3(-0.875,-0.65) 4(0.875,-0.65) 5(0.875,0) 6(0.875,0.65)
  rect 1.05x0.72 smd mask+0.05: 3(0,-0.49) 6(0,0.49)
  silkscreen extent -1.47,-1.06 1.06,1.27, body extent -1.05,-1.05 1.05,1.05, height 0.65
QFN65P400X400X65_HS-17N [mm] "QFN, 16-Leads, Body 4.00x4.00mm, Pitch 0.65mm, Thermal Pad 2.65x2.65mm, IPC Medium Density"
  oval 0.8x0.3 smd: 1(-1.975,0.975) 2(-1.975,0.325) 3(-1.975,-0.325) 4(-1.975,-0.975) 9(1.975,-0.975) 10(1.975,-0.325) 11(1.975,0.325) 12(1.975,0.975)
  oval 0.3x0.8 smd: 5(-0.975,-1.975) 6(-0.325,-1.975) 7(0.325,-1.975) 8(0.975,-1.975) 13(0.975,1.975) 14(0.325,1.975) 15(-0.325,1.975) 16(-0.975,1.975)
  rect 2.65x2.65 smd: 17(0,0)
  silkscreen extent -2.93,-2.15 2.15,2.15, body extent -2,-2 2,2, height 0.65
RESC0603X03L_C [mm] "Chip Resistor, 2-Leads, Body 0.6x0.3mm, IPC High Density"
  rect 0.27x0.3 smd: 1(-0.285,0) 2(0.285,0)
  silkscreen extent -0.49,-0.22 0.49,0.22, body extent -0.3,-0.15 0.3,0.15, height 0.23
RESC0603X03L_C_NC [mm] "Chip Resistor, 2-Leads, Body 0.6x0.3mm, IPC High Density"
  rect 0.27x0.3 smd: 1(-0.285,0) 2(0.285,0)
  silkscreen extent -0.49,-0.22 0.49,0.22
RESC1005X04L [mm] "Chip Resistor, 2-Leads, Body 1.0x0.5mm, IPC High Density"
  rect 0.6x0.55 smd: 1(-0.5,0) 2(0.5,0)
  silkscreen extent -0.87,-0.38 0.88,0.38, body extent -0.5,-0.25 0.5,0.25, height 0.3
RESC1005X04L_NC [mm] "Chip Resistor, 2-Leads, Body 1.0x0.5mm, IPC High Density"
  rect 0.6x0.55 smd mask+0.05: 1(-0.5,0) 2(0.5,0)
  silkscreen extent -0.87,-0.38 0.88,0.38
SM02B-SRSS-TB [mm] "JST, SH connector, side entry SMD, 1mm pitch"
  rect 1.2x1.8 smd: 0(-2.1,-3.875) 0(2.1,-3.875)
  rect 0.6x1.55 smd: 1(-0.5,0) 2(0.5,0)
  silkscreen extent -2,-4.57 2,-0.33, body extent -1.99,-4.58 1.99,0.41, height 3
SOCKET_1x6_SMD [mm] "Socket, 2.54mm, SMD"
  rect 1.02x2.19 smd: 1(0,-1.465) 1(0,1.465) 2(2.54,-1.465) 2(2.54,1.465) 3(5.08,-1.465) 3(5.08,1.465) 4(7.62,-1.465) 4(7.62,1.465) 5(10.16,-1.465) 5(10.16,1.465) 6(12.7,1.465) 6(12.7,-1.465)
  silkscreen extent -1.27,-1.27 13.97,1.27, body extent -1.27,-2.29 13.97,2.29, height 7.47
SOCKET_1x8_SMD [mm] "Socket, 2.54mm, SMD"
  rect 1.02x2.19 smd: 1(0,-1.465) 1(0,1.465) 2(2.54,-1.465) 2(2.54,1.465) 3(5.08,-1.465) 3(5.08,1.465) 4(7.62,-1.465) 4(7.62,1.465) 5(10.16,-1.465) 5(10.16,1.465) 6(12.7,1.465) 6(12.7,-1.465) 7(15.24,-1.465) 7(15.24,1.465) 8(17.78,-1.465) 8(17.78,1.465)
  silkscreen extent -1.27,-1.27 19.05,1.27, body extent -1.27,-2.29 19.05,2.29, height 7.47
SOCKET_1x10_SMD [mm] "Socket, 2.54mm, SMD"
  rect 1.02x2.19 smd: 1(0,1.465) 1(0,-1.465) 2(2.54,-1.465) 2(2.54,1.465) 3(5.08,-1.465) 3(5.08,1.465) 4(7.62,-1.465) 4(7.62,1.465) 5(10.16,-1.465) 5(10.16,1.465) 6(12.7,-1.465) 6(12.7,1.465) 7(15.24,-1.465) 7(15.24,1.465) 8(17.78,-1.465) 8(17.78,1.465) 9(20.32,-1.465) 9(20.32,1.465) 10(22.86,-1.465) 10(22.86,1.465)
  silkscreen extent -1.27,-1.27 24.13,1.27, body extent -1.27,-2.29 24.13,2.29, height 7.47
SOCKET_2x3_SMD-2.54mm-bottom-NC [mm] "Socket, 2.54mm, SMD"
  rect 1.02x2.22 smd far side: 1(-2.54,-2.825) 2(-2.54,2.825) 3(0,-2.825) 4(0,2.825) 5(2.54,-2.825) 6(2.54,2.825)
SOCKET_2x9_SMD-2.54mm [mil] "CONN HEADER VERT DUAL 18POS SMD - FEMALE HEADER, PCB, 0.1\", 10+10WAY"
  rect 50x150 smd: 1(-400,-87.5) 2(-400,87.5) 3(-300,-87.5) 4(-300,87.5) 5(-200,-87.5) 6(-200,87.5) 7(-100,-87.5) 8(-100,87.5) 9(0,-87.5) 10(0,87.5) 11(100,-87.5) 12(100,87.5) 13(200,-87.5) 14(200,87.5) 15(300,-87.5) 16(300,87.5) 17(400,-87.5) 18(400,87.5)
  silkscreen extent -460,-140 450,100, body extent -450,-138 450,139, height 290
SODFL100X40-2N [mm] "SODFL, 2-Leads, Body 0.60x1.00mm, IPC Medium Density"
  rect 0.36x0.25 smd: 1(-0.42,0) 2(0.42,0)
  silkscreen extent -0.7,-0.35 0.5,0.5, body extent -0.5,-0.33 0.5,0.33, height 0.4
Solderbridge#1 [mm]
  round 0.2 smd paste-10: 1(-0.312,0) 2(0.312,0)
  Top Layer region: -0.077,-0.432 -0.152,-0.505 -0.271,-0.467 -0.335,-0.424 -0.409,-0.351 -0.462,-0.292 -0.521,-0.193 -0.549,-0.099 -0.544,0.122 -0.518,0.193 -0.434,0.33 -0.351,0.411 -0.259,0.469 -0.157,0.5 -0.107,0.483 -0.077,0.43
  Top Layer region: 0.077,0.432 0.152,0.505 0.271,0.467 0.335,0.424 0.409,0.351 0.462,0.292 0.521,0.193 0.549,0.099 0.544,-0.122 0.518,-0.193 0.434,-0.33 0.351,-0.411 0.259,-0.469 0.157,-0.5 0.107,-0.483 0.077,-0.43
  Top Layer lines w0.152: -0.153,-0.431 cw(c-0.042,0) -0.153,0.431 ; 0.153,-0.431 ccw(c0.042,0) 0.487,0 ccw(c0.042,0) 0.153,0.431
Solderbridge#2 [mm]
  round 0.2 smd paste-10: 1(-0.312,0) 2(0.312,0)
  Top Layer region: 0.077,0.432 0.152,0.505 0.271,0.467 0.335,0.424 0.409,0.351 0.462,0.292 0.521,0.193 0.549,0.099 0.544,-0.122 0.518,-0.193 0.434,-0.33 0.351,-0.411 0.259,-0.469 0.157,-0.5 0.107,-0.483 0.077,-0.43
  Top Layer region: -0.077,-0.432 -0.152,-0.505 -0.271,-0.467 -0.335,-0.424 -0.409,-0.351 -0.462,-0.292 -0.521,-0.193 -0.549,-0.099 -0.544,0.122 -0.518,0.193 -0.434,0.33 -0.351,0.411 -0.259,0.469 -0.157,0.5 -0.107,0.483 -0.077,0.43
  Top Layer lines w0.152: -0.153,0.431 ccw(c-0.042,0) -0.153,-0.431 ; 0.153,0.431 cw(c0.042,0) 0.184,0.421 cw(c0.042,0) 0.184,-0.421 cw(c0.042,0) 0.153,-0.431
Solderbridge#3 [mm]
  round 0.2 smd paste-10: 1(-0.312,0) 2(0.312,0)
  Top Layer region: -0.077,-0.432 -0.152,-0.505 -0.271,-0.467 -0.335,-0.424 -0.409,-0.351 -0.462,-0.292 -0.521,-0.193 -0.549,-0.099 -0.544,0.122 -0.518,0.193 -0.434,0.33 -0.351,0.411 -0.259,0.469 -0.157,0.5 -0.107,0.483 -0.077,0.43
  Top Layer region: 0.077,0.432 0.152,0.505 0.271,0.467 0.335,0.424 0.409,0.351 0.462,0.292 0.521,0.193 0.549,0.099 0.544,-0.122 0.518,-0.193 0.434,-0.33 0.351,-0.411 0.259,-0.469 0.157,-0.5 0.107,-0.483 0.077,-0.43
  Top Layer lines w0.152: 0.153,0.431 cw(c0.042,0) 0.153,-0.431 ; -0.153,0.431 ccw(c-0.042,0) -0.153,-0.431
Solderbridge#4 [mm]
  round 0.2 smd paste-10: 1(-0.312,0) 2(0.312,0)
  Top Layer region: -0.077,-0.432 -0.152,-0.505 -0.271,-0.467 -0.335,-0.424 -0.409,-0.351 -0.462,-0.292 -0.521,-0.193 -0.549,-0.099 -0.544,0.122 -0.518,0.193 -0.434,0.33 -0.351,0.411 -0.259,0.469 -0.157,0.5 -0.107,0.483 -0.077,0.43
  Top Layer region: 0.077,0.432 0.152,0.505 0.271,0.467 0.335,0.424 0.409,0.351 0.462,0.292 0.521,0.193 0.549,0.099 0.544,-0.122 0.518,-0.193 0.434,-0.33 0.351,-0.411 0.259,-0.469 0.157,-0.5 0.107,-0.483 0.077,-0.43
  Top Layer lines w0.152: 0.153,0.431 cw(c0.042,0) 0.176,0.424 cw(c0.042,0) 0.312,0.353 cw(c0.042,0) 0.313,0.353 cw(c0.042,0) 0.153,-0.431 ; -0.153,0.431 ccw(c-0.042,0) -0.312,-0.353 ccw(c-0.042,0) -0.153,-0.431
Solderbridge#5 [mm]
  round 0.2 smd paste-10: 1(-0.312,0) 2(0.312,0)
  Top Layer region: 0.077,0.432 0.152,0.505 0.271,0.467 0.335,0.424 0.409,0.351 0.462,0.292 0.521,0.193 0.549,0.099 0.544,-0.122 0.518,-0.193 0.434,-0.33 0.351,-0.411 0.259,-0.469 0.157,-0.5 0.107,-0.483 0.077,-0.43
  Top Layer region: -0.077,-0.432 -0.152,-0.505 -0.271,-0.467 -0.335,-0.424 -0.409,-0.351 -0.462,-0.292 -0.521,-0.193 -0.549,-0.099 -0.544,0.122 -0.518,0.193 -0.434,0.33 -0.351,0.411 -0.259,0.469 -0.157,0.5 -0.107,0.483 -0.077,0.43
  Top Layer lines w0.152: 0.153,-0.431 ccw(c0.042,0) 0.312,-0.353 ccw(c0.042,0) 0.153,0.431 ; -0.153,-0.431 cw(c-0.042,0) -0.461,-0.149 cw(c-0.042,0) -0.312,0.353 cw(c-0.042,0) -0.153,0.431
Solderbridge#6 [mm]
  round 0.2 smd paste-10: 1(-0.312,0) 2(0.312,0)
  Top Layer region: -0.077,-0.432 -0.152,-0.505 -0.271,-0.467 -0.335,-0.424 -0.409,-0.351 -0.462,-0.292 -0.521,-0.193 -0.549,-0.099 -0.544,0.122 -0.518,0.193 -0.434,0.33 -0.351,0.411 -0.259,0.469 -0.157,0.5 -0.107,0.483 -0.077,0.43
  Top Layer region: 0.077,0.432 0.152,0.505 0.271,0.467 0.335,0.424 0.409,0.351 0.462,0.292 0.521,0.193 0.549,0.099 0.544,-0.122 0.518,-0.193 0.434,-0.33 0.351,-0.411 0.259,-0.469 0.157,-0.5 0.107,-0.483 0.077,-0.43
  Top Layer lines w0.152: 0.482,-0.068 ccw(c0.042,0) 0.487,0 ccw(c0.042,0) 0.487,0.007 ccw(c0.042,0) 0.153,0.431 ; -0.153,0.431 ccw(c-0.042,0) -0.487,0.01 ccw(c-0.042,0) -0.487,-0.005 ccw(c-0.042,0) -0.473,-0.112 ccw(c-0.042,0) -0.437,-0.205 ccw(c-0.042,0) -0.153,-0.431
Solderbridge_Shorted#1 [mm]
  round 0.2 smd paste-10: 1(-0.338,0) 2(0.338,0)
  Top Layer region: -0.102,-0.432 -0.178,-0.505 -0.296,-0.467 -0.361,-0.424 -0.434,-0.351 -0.488,-0.292 -0.546,-0.193 -0.574,-0.099 -0.569,0.122 -0.544,0.193 -0.46,0.33 -0.376,0.411 -0.284,0.469 -0.183,0.5 -0.132,0.483 -0.102,0.43
  Top Layer region: 0.102,0.432 0.178,0.505 0.296,0.467 0.361,0.424 0.434,0.351 0.488,0.292 0.546,0.193 0.574,0.099 0.569,-0.122 0.544,-0.193 0.46,-0.33 0.376,-0.411 0.284,-0.469 0.183,-0.5 0.132,-0.483 0.102,-0.43
  Top Layer lines w0.152: 0.178,0.431 cw(c0.068,0) 0.178,-0.431 ; -0.178,0.431 ccw(c-0.068,0) -0.178,-0.431
  Top Layer lines w0.203: 0.338,0 -0.338,0
Solderbridge_Shorted#2 [mm]
  round 0.2 smd paste-10: 1(-0.338,0) 2(0.338,0)
  Top Layer region: 0.102,0.432 0.178,0.505 0.296,0.467 0.361,0.424 0.434,0.351 0.488,0.292 0.546,0.193 0.574,0.099 0.569,-0.122 0.544,-0.193 0.46,-0.33 0.376,-0.411 0.284,-0.469 0.183,-0.5 0.132,-0.483 0.102,-0.43
  Top Layer region: -0.102,-0.432 -0.178,-0.505 -0.296,-0.467 -0.361,-0.424 -0.434,-0.351 -0.488,-0.292 -0.546,-0.193 -0.574,-0.099 -0.569,0.122 -0.544,0.193 -0.46,0.33 -0.376,0.411 -0.284,0.469 -0.183,0.5 -0.132,0.483 -0.102,0.43
  Top Layer lines w0.152: -0.178,-0.431 cw(c-0.068,0) -0.512,0 cw(c-0.068,0) -0.178,0.431 ; 0.178,-0.431 ccw(c0.068,0) 0.178,0.431
  Top Layer lines w0.203: -0.338,0 0.338,0
Solderbridge_Shorted#3 [mm]
  round 0.2 smd paste-10: 1(-0.338,0) 2(0.338,0)
  Top Layer region: 0.102,0.432 0.178,0.505 0.296,0.467 0.361,0.424 0.434,0.351 0.488,0.292 0.546,0.193 0.574,0.099 0.569,-0.122 0.544,-0.193 0.46,-0.33 0.376,-0.411 0.284,-0.469 0.183,-0.5 0.132,-0.483 0.102,-0.43
  Top Layer region: -0.102,-0.432 -0.178,-0.505 -0.296,-0.467 -0.361,-0.424 -0.434,-0.351 -0.488,-0.292 -0.546,-0.193 -0.574,-0.099 -0.569,0.122 -0.544,0.193 -0.46,0.33 -0.376,0.411 -0.284,0.469 -0.183,0.5 -0.132,0.483 -0.102,0.43
  Top Layer lines w0.152: -0.178,-0.431 cw(c-0.068,0) -0.512,0.009 cw(c-0.068,0) -0.338,0.353 cw(c-0.068,0) -0.178,0.431 ; 0.178,-0.431 ccw(c0.068,0) 0.178,0.431
  Top Layer lines w0.203: -0.338,0 0.338,0